# Altium PCB PCB_v6.PcbDoc (part 6 of 7) (continued)
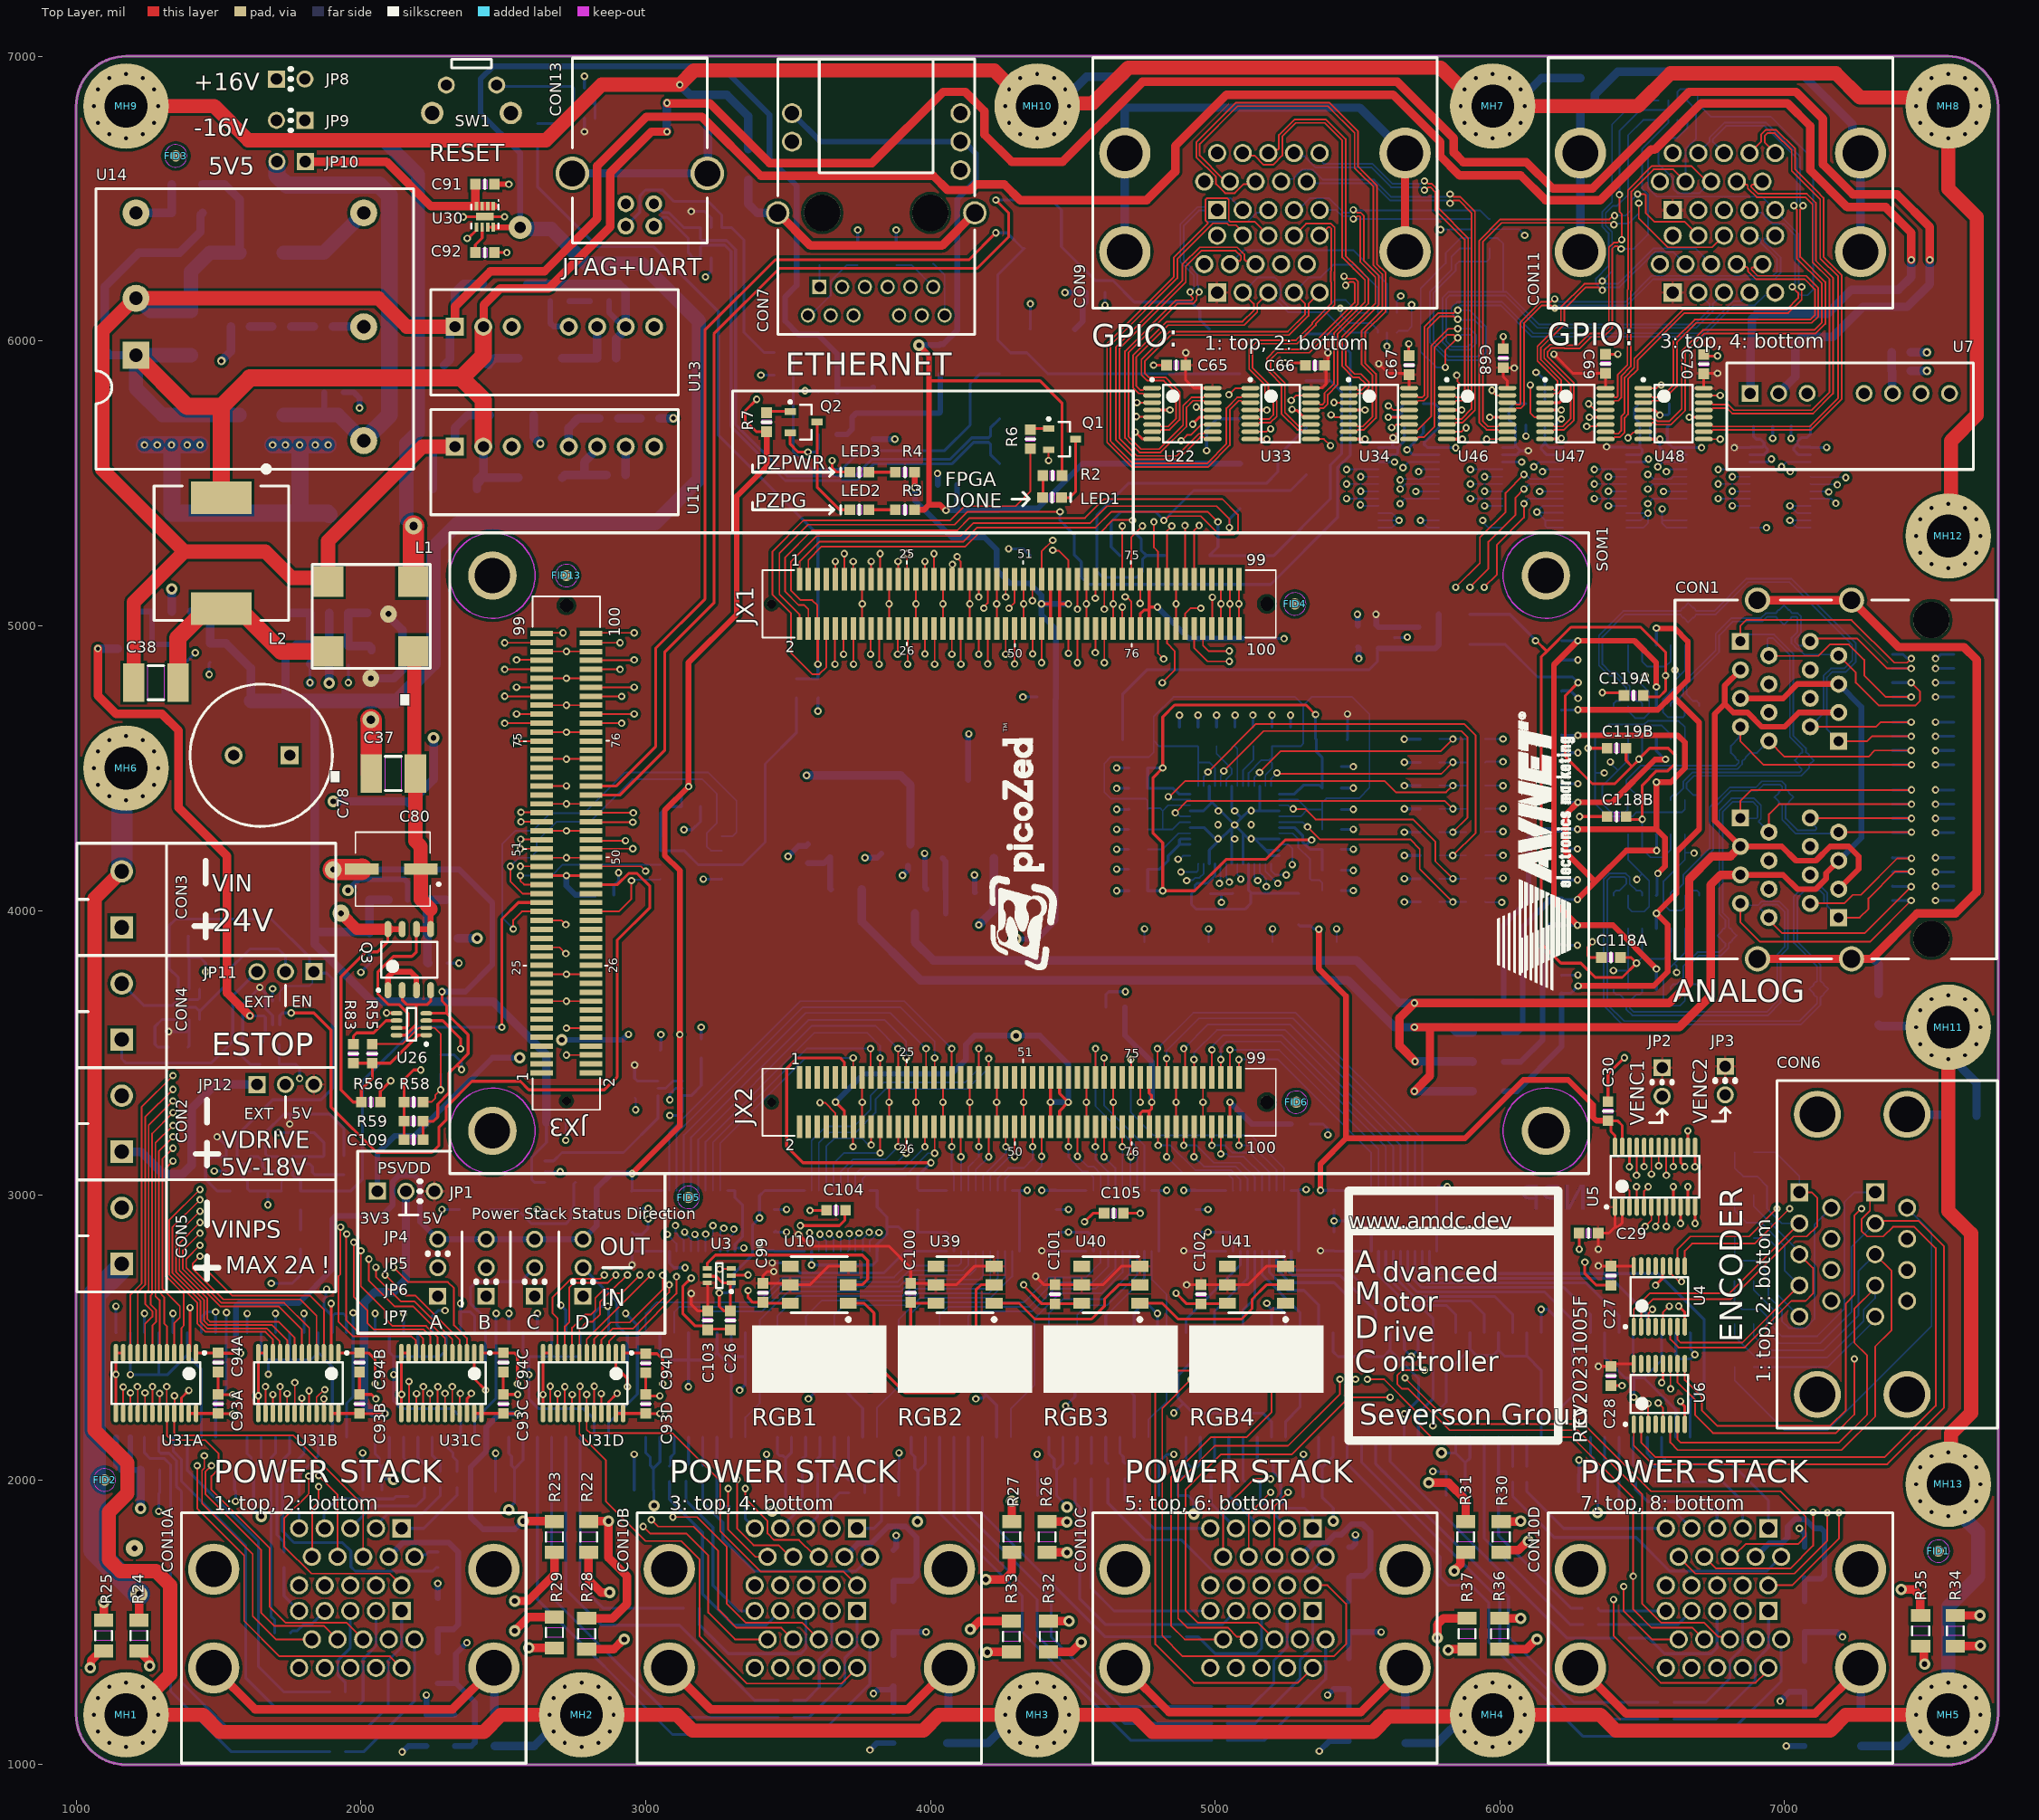
[diagram p0: Top Layer view]
## Nets (pads, with @x,y where several pads share a name; then routed paths per layer and width w, separated by ;. In a path a pad name is that pad's centre, name@x,y a point inside that pad or via, vN(x,y) a via of type N, cw(c..) or ccw(c..) an arc to the next point about the centre after c; other vN are vias at no path point) (continued)
  Int3 (Sign) w6: v1(2960,4690) 2912.49,4690 2861.29,4638.79 2861.29,2988.72 3083,2767.01 v1(3083,2685.51)
LV_INV_STS_D3: SOM1.JX3-86 U31D.5 | length 2674.9
  Top Layer w6: SOM1.JX3-86@2808.35,4752.29 2809.04,4751.6 v1(2915.81,4751.6) ; U31D.5@2818.68,2446.3 2818.68,2494.37 2877.31,2553 2944.48,2553 3060,2668.52 v1(3060,2718.95)
  Int3 (Sign) w6: v1(2915.81,4751.6) 2840,4675.79 2840,2983.73 3060,2763.73 v1(3060,2718.95)
LV_INV_STS_D4: SOM1.JX3-88 U31D.6 | length 2752
  Top Layer w6: U31D.6@2793.09,2446.3 2793.09,2493.73 v1(3019.36,2720) ; SOM1.JX3-88@2808.35,4783.79 v1(2960,4783.79)
  Int3 (Sign) w6: v1(2960,4783.79) 2911.8,4783.79 2819.64,4691.63 2819.64,2976.87 3019.36,2777.15 v1(3019.36,2720)
LV_INV_STS_D5: SOM1.JX3-92 U31D.7 | length 2747
  Top Layer w6: U31D.7@2767.5,2446.3 2767.5,2528.2 2795.3,2556 2814.23,2556 2840.29,2582.06 2840.29,2625.8 2869.49,2655 2915,2655 v1(2980,2720) ; SOM1.JX3-92@2808.35,4846.78 v1(2910,4846.78)
  Int3 (Sign) w6: v1(2910,4846.78) 2801.21,4738 2801.21,2965.76 2980,2786.98 v1(2980,2720)
LV_INV_STS_D6: SOM1.JX3-94 U31D.8 | length 2866.1
  Top Layer w6: U31D.8@2741.91,2446.3 2741.91,2534.45 2788.54,2581.08 2808.35,2581.08 2823.27,2596.01 2823.27,2638.85 2856.07,2671.65 2887.46,2671.65 v1(2935.81,2720) ; SOM1.JX3-94@2808.35,4878.28 2958.28,4878.28 v1(2960,4880)
  Int3 (Sign) w6: v1(2935.81,2720) 2910,2745.81 2910,2830.66 2780,2960.66 2780,4752.3 2907.7,4880 v1(2960,4880)
LV_INV_STS_D7: SOM1.JX3-98 U31D.9 | length 2856.7
  Top Layer w6: U31D.9@2716.32,2446.3 2716.32,2539.41 2732.34,2555.43 2732.34,2676.51 2748.15,2692.32 2867.77,2692.32 v1(2895.45,2720) ; SOM1.JX3-98@2808.35,4941.27 2809.62,4940 v1(2910,4940)
  Int3 (Sign) w6: v1(2895.45,2720) 2880,2735.45 2880,2830.16 2762,2948.16 2762,4792 v1(2910,4940)
LV_INV_STS_D8: SOM1.JX3-100 U31D.10 | length 2988.9
  Top Layer w6: U31D.10@2690.73,2446.3 2690.73,2567.36 2673.01,2585.08 2673.01,2641.59 2737.73,2706.31 2841.31,2706.31 v1(2855,2720) ; SOM1.JX3-100@2808.35,4972.76 2810.58,4975 v1(2960,4975)
  Int3 (Sign) w6: v1(2855,2720) 2855,2828.58 2746.74,2936.84 2746.74,4814.79 2906.95,4975 v1(2960,4975)
LV_PS_DRIVE_EN: R48.1 SOM1.JX3-39 U42.3 | length 1808.8
  Top Layer w10: v1(2495,3590) 2495,3970 2552.89,4027.89 SOM1.JX3-39@2635.12,4027.89
  Bottom Layer w10: U42.3@1792.32,3084.41 1765.59,3084.41 1759.73,3078.55 1759.73,3070.27 1770,3060 1782.61,3060 1788.46,3054.14 R48.1@1788.46,3015 1965,3015 2005,3055 2005,3400 2195,3590 v1(2495,3590)
LV_USER_LED_DIN: SOM1.JX2-14 U3.3 | length 1247
  Top Layer w6: v1(3260,2740) 3261.75,2741.75 3299.29,2741.75 U3.3@3301.04,2743.5 ; v1(3728.52,3170.51) 3728.52,3239.47 SOM1.JX2-14@3729.06,3240
  Int3 (Sign) w6: v1(3260,2740) 3260,2745 3199.21,2805.79 3091.46,2805.79 3040,2857.25 3040,2934.02 3276.49,3170.51 v1(3728.52,3170.51)
LV_VCCIO_EN: R92.1 SOM1.JX2-10 U12.3 | length 946.8
  Top Layer w6: v1(3612.31,3325) 3630,3325 3666.06,3288.94 SOM1.JX2-10@3666.06,3240
  Int3 (Sign) w6: v1(3085,3280) 3567.31,3280 v1(3612.31,3325)
  Bottom Layer w10: v1(3085,3280) 3115,3280 3128.16,3293.16 U12.3@3128.16,3349.82 3159.82,3349.82 3195,3385 R92.1@3195,3481.54
NetC1_1: C1.1 U1.45 | length 171.7
  Bottom Layer w6: C1.1@4763.46,4215 4815.97,4215 4871.92,4270.94 U1.45@4912.01,4270.94
NetC2_1: C2.1 U1.6 | length 169.6
  Bottom Layer w6: C2.1@5005,4576.54 5005,4550.66 5058.66,4497 5058.66,4480.46 5038.98,4460.78 U1.6@5038.98,4437.28
NetC3_1: C3.1 U1.9 | length 154.6
  Bottom Layer w6: U1.9@5098.03,4437.28 5098.03,4492.6 5135,4529.57 C3.1@5135,4576.54
NetC4_1: C4.1 U1.22 | length 307.7
  Bottom Layer w6: U1.22@5225,4270.94 5272.1,4270.94 5291.79,4251.26 5291.79,4221.87 5333.46,4180.19 5333.46,4111.51 5338.95,4106.02 5366.97,4106.02 5376.54,4096.45 C4.1@5376.54,4070
NetC5_1: C5.1 U1.8 | length 142.7
  Bottom Layer w6: C5.1@5070,4576.54 5078.35,4568.19 U1.8@5078.35,4437.28
NetC31_2: C31.2 CON7.12 | length 198.1
  Bottom Layer w6: C31.2@4009.92,6271.54 4050,6231.46 CON7.12@4050,6090
NetC32_2: C32.2 CON7.6 | length 161.6
  Bottom Layer w6: C32.2@3880,6266.54 3933.39,6266.54 CON7.6@4009.92,6190
NetC33_2: C33.2 CON7.1 | length 76.5
  Bottom Layer w6: CON7.1@3610,6190 C33.2@3610,6266.54
NetC34_2: C34.2 CON7.7 | length 277.4
  Bottom Layer w6: CON7.7@3570,6090 3580,6090 3650,6160 3650,6210 3706.54,6266.54 C34.2@3745,6266.54
NetC35_2: C35.2 C39.2 JP8.2 U11.6 | length 2708.4
  Int4 (PWR) w30: JP8.2@1803.44,6919.88 1880.12,6919.88 2260,6540 2260,6378.44 2393.44,6245 3012.37,6245 3130,6127.37 3130,5915 3040,5825 2940,5825 2830,5715 U11.6@2830,5629.04
  Bottom Layer w30: C35.2@2707.48,5520 2717.48,5530 2784.33,5530 ; U11.6@2830,5629.04 2830,5620.12 2784.33,5574.45 2784.33,5530 ; C39.2@2863.16,5530 2784.33,5530
NetC37_2: C37.2 C80.1 L1.1 Q3.5 Q3.6 U26.7 | length 1592.6
  Top Layer w10: U26.7@2125.39,3587.6 2157.6,3587.6 2165,3595 2165,3638.66 2133.66,3670 2095.97,3670 2060,3705.97 2060,3785 2113.91,3838.91 2179.14,3838.91 2195,3854.77 Q3.6@2195,3934.53
  Top Layer w20: Q3.6@2195,3934.53 Q3.5@2245,3934.53 2245,4005
  Top Layer w50: L1.1@2184.21,4910 2187.8,4906.41 2187.8,4484.92 C37.2@2191.39,4481.33 2191.39,4243.93 2210,4225.31 C80.1@2210,4145 2210.31,4144.69 2210.31,4039.69 2245,4005
NetC38_2: C38.2 L1.4 L2.2 | length 789.3
  Top Layer w60: C38.2@1357.48,4800 1357.48,4956.81 1460.79,5060.12 L2.2@1510,5060.12 1569.88,5060.12 1720,4910 L1.4@1885,4910
NetC42_2: C42.2 C44.1 JP9.1 R42.1 U13.7 | length 2268.5
  Int4 (PWR) w30: JP9.1@1803.44,6775 1892.43,6775 2185,6482.43 2185,6355.22 2355.22,6185 2868.5,6185 2930,6123.5 U13.7@2930,6050
  Bottom Layer w20: R42.1@2871.67,6140 2871.67,6099.61 2921.27,6050 U13.7@2930,6050
  Bottom Layer w30: C42.2@2584.54,6200 2905.33,6200 2930,6175.33 U13.7@2930,6050 2930,6041.07 2896.63,6007.7 C44.1@2896.63,5940
NetC52_1: C52.1 R64.2 U15.1 U15.2 | length 291.5
  Bottom Layer w30: C52.1@2236.42,3815 2234.08,3817.34 2234.08,3899.99 R64.2@2231.73,3902.33 2231.52,3902.55 2231.52,4037.12 U15.2@2231.3,4037.33 U15.1@2298.3,4037.33
NetC54_1: C54.1 R65.1 U16.5 | length 445.9
  Bottom Layer w10: R65.1@2454.13,2949.37 2550.63,2949.37 2600,2900 2720,2900 2738.15,2918.15 C54.1@2738.15,2949.37 2747.32,2958.54 2747.32,3038.62 U16.5@2754.13,3045.43
NetC56_1: C56.1 R70.2 U17.2 U17.4 | length 548.8
  Bottom Layer w20: C56.1@3673.46,5671.61 3706.61,5671.61 3725,5690 3725,5732.28 3739.33,5746.61 U17.2@3799.84,5746.61 U17.4@4030.16,5746.61 4035,5751.46 R70.2@4035,5880.87
NetC58_2: C58.2 R71.2 U18.3 | length 197.9
  Bottom Layer w20: U18.3@4043,4183.27 4053.46,4172.81 C58.2@4053.46,4075 4053.8,4074.67 4053.8,3990.33 R71.2@4054.13,3990
NetC60_1: C60.1 R74.2 U19.3 | length 202
  Bottom Layer w20: C60.1@3570,4166.26 3626.5,4166.26 3648,4187.76 3648,4076.77 R74.2@3650.87,4073.9
NetC62_1: C62.1 R72.2 U20.1 U20.2 | length 273.9
  Bottom Layer w30: U20.1@2022.84,5045 U20.2@1955.84,5045 C62.1@1955.84,4929.21 2029.61,4929.21 2037.25,4921.57 R72.2@2037.25,4915
NetC64_1: C64.1 R73.2 U21.4 U21.5 | length 248.1
  Bottom Layer w20: U21.5@1202.39,5050 1263.55,5050 1266.47,5047.08 1266.47,4934.21 C64.1@1336.39,4934.21
NetC92_2: C92.2 U30.6 | length 98.5
  Top Layer w10: C92.2@2402.12,6310.47 2402.12,6337.96 2425.74,6361.58 U30.6@2425.74,6399.21
NetC108_1: C108.1 R55.2 R58.2 U26.2 | length 610.7
  Top Layer w6: R55.2@2040,3530.71 2145.71,3530.71 2202.6,3587.6 2259.39,3587.6 2280,3566.99 v1(2280,3370) 2261.71,3351.71 2261.71,3341.71 2247.24,3327.24 R58.2@2218.46,3327.24
  Bottom Layer w10: v1(2280,3370) C108.1@2280,3426.54
NetC109_1: C109.1 R58.1 R59.1 U26.3 | length 637.3
  Top Layer w10: C109.1@2151.54,3195 R59.1@2151.54,3260 R58.1@2151.54,3327.24 2151.54,3406.54 2185,3440 v1(2210,3440) ; U26.3@2229.72,3613.19 2287.26,3613.19 2350,3550.44 v1(2350,3513.95)
  Int3 (Sign) w10: v1(2210,3440) 2276.05,3440 v1(2350,3513.95)
NetC117_2: C117.2 R57.1 R77.1 R82.1 U2.2 | length 1473.6
  Bottom Layer w10: R82.1@4675.87,4600 4675.87,4760.87 4760,4845 5540,4845 5570,4875 5570,4916.54 C117.2@5573.46,4920
  Bottom Layer w20: C117.2@5573.46,4920 5714.72,4920 U2.2@5714.88,4920.16 5773.23,4920.16 5785.87,4932.8 R57.1@5785.87,4935 R77.1@5785.87,5040
NetCON2_1: CON2.1 JP12.1 | length 754.3
  Bottom Layer w30: CON2.1@1160,3152.57 1227.42,3152.57 1305,3075 1375,3075 1405,3105 1405,3305 1488.8,3388.8 JP12.1@1635,3388.8
NetCON4_1: CON4.1 JP11.3 | length 774.8
  Bottom Layer w10: CON4.1@1160,3546.57 1160,3478.7 1173.7,3465 1475,3465 1550,3540 1550,3700 JP11.3@1635,3785
NetCON10A_7A: CON10A.7A R93A.1 R95A.2 | length 693.2
  Bottom Layer w20: CON10A.7A@2098,1730 2148,1780 2308.16,1780 2341.65,1746.51 2341.65,1491.35 2326.16,1475.87 R95A.2@2270,1475.87 R93A.1@2270,1394.13
NetCON10A_7B: CON10A.7B R94A.1 R96A.2 | length 432.8
  Int4 (PWR) w20: CON10A.7B@2098,1440 2142.27,1395.73 2163.13,1395.73 2230,1328.86 v1(2230,1244.66)
  Bottom Layer w20: v1(2230,1244.66) R96A.2@2230,1174.13 R94A.1@2330,1174.13
NetCON10A_12A: CON10A.12A R22.1 | length 1085.8
  Top Layer w30: R22.1@2800,1745.87 2800,1648.68 2843.68,1605 v2(2873.43,1605)
  Int2 (Sign) w12: CON10A.12A@2053,1630 2097,1586 2224,1586 2245,1565
  Int2 (Sign) w20: 2245,1565 2285,1525 2725,1525 2805,1605 v2(2873.43,1605)
NetCON10A_12B: CON10A.12B R24.1 | length 1047.5
  Top Layer w30: R24.1@1220.3,1399.22 1258.43,1361.09 v2(1258.43,1346.57)
  Int2 (Sign) w30: v2(1258.43,1346.57) 1430,1175 1965,1175 2053,1263 CON10A.12B@2053,1340
NetCON10A_13A: CON10A.13A R23.1 | length 895.6
  Top Layer w30: v2(2540,1575) 2586.45,1575 2680,1668.55 R23.1@2680,1745.87
  Int2 (Sign) w20: CON10A.13A@1963,1630 2011,1678 2293.55,1678 2396.55,1575 v2(2540,1575)
NetCON10A_13B: CON10A.13B R25.1 | length 1173.4
  Top Layer w30: v2(1050,1340) 1051.91,1341.91 1051.91,1365.03 1086.1,1399.22 R25.1@1096.93,1399.22
  Int2 (Sign) w30: v2(1050,1340) 1097.57,1387.57 1275.41,1387.57 1439.53,1223.45 1913.82,1223.45 1963,1272.63 CON10A.13B@1963,1340
NetCON10B_7A: CON10B.7A R93B.1 R95B.2 | length 610.3
  Bottom Layer w20: CON10B.7A@3698,1730 3746,1778 3793.03,1778 3851.33,1836.3 3913.6,1836.3 3951.9,1798 3951.9,1661.72 3936.05,1645.87 R95B.2@3870,1645.87 R93B.1@3870,1574.13
NetCON10B_7B: CON10B.7B R94B.1 R96B.2 | length 425.1
  Int4 (PWR) w20: CON10B.7B@3698,1440 3709.91,1440 3765.37,1384.53 3788.28,1384.53 3800,1372.82 v1(3800,1250)
  Bottom Layer w20: v1(3800,1250) 3801.62,1250 3814.85,1263.23 3857.36,1263.23 R94B.1@3870,1275.87 R96B.2@3870,1184.13
NetCON10B_12A: CON10B.12A R26.1 | length 1023.7
  Top Layer w30: R26.1@4410,1745.87 4410.43,1745.43 4479.57,1745.43 v2(4480,1745)
  Int2 (Sign) w12: CON10B.12A@3653,1630 3697,1586 3854,1586
  Int2 (Sign) w30: 3854,1586 3905,1535 4270,1535 v2(4480,1745)
NetCON10B_12B: CON10B.12B R28.1 | length 957
  Top Layer w30: R28.1@2793,1405.87 2888.16,1405.87 2922.29,1440 v2(2925,1440)
  Int2 (Sign) w20: v2(2925,1440) 2930.41,1440 2936.41,1446 2996,1446 3040,1490 3130,1490 3232,1388 3605,1388 CON10B.12B@3653,1340
NetCON10B_13A: CON10B.13A R27.1 | length 897.2
  Top Layer w30: v2(4195,1650) 4260,1650 4285.94,1675.94 R27.1@4285.94,1745.87
  Int2 (Sign) w20: CON10B.13A@3563,1630 3611,1678 3822,1678 3925,1575 4120,1575 v2(4195,1650)
NetCON10B_13B: CON10B.13B R29.1 | length 1244.3
  Top Layer w30: v2(2590,1410) R29.1@2680,1410
  Int2 (Sign) w30: v2(2590,1410) 2820.41,1410 3030.41,1200 3485,1200 3563,1278 CON10B.13B@3563,1340
NetCON10C_7A: CON10C.7A R93C.1 R95C.2 | length 606.8
  Bottom Layer w20: CON10C.7A@5298,1730 5346,1778 5390.63,1778 5420,1807.37 5443.02,1807.37 5480.65,1845 5518.4,1845 5545,1818.4 5545,1686.72 5521.34,1663.06 5477.19,1663.06 R95C.2@5470,1655.87 R93C.1@5470,1574.13
NetCON10C_7B: CON10C.7B R94C.1 R96C.2 | length 409.3
  Int4 (PWR) w20: CON10C.7B@5298,1440 5348,1390 5375,1390 5395,1370 v1(5395,1244.66)
  Bottom Layer w20: v1(5395,1244.66) 5416.2,1265.87 R94C.1@5470,1265.87 R96C.2@5470,1191.73
NetCON10C_12A: CON10C.12A R30.1 | length 1118
  Top Layer w30: R30.1@6004.67,1745.87 6012.3,1753.5 6065.8,1753.5 6097.29,1785 v2(6100,1785)
  Int2 (Sign) w12: CON10C.12A@5253,1630 5298,1585 5460,1585
  Int2 (Sign) w30: 5460,1585 5530,1515 5752.94,1515 6022.94,1785 v2(6100,1785)
NetCON10C_12B: CON10C.12B R32.1 | length 940.1
  Top Layer w30: R32.1@4414.06,1395.87 4495.87,1395.87 v2(4530,1430)
  Int2 (Sign) w20: 4852,1388 5205,1388 CON10C.12B@5253,1340
  Int2 (Sign) w30: v2(4530,1430) 4590,1490 4750,1490 4852,1388
NetCON10C_13A: CON10C.13A R31.1 | length 884.1
  Top Layer w30: v2(5840,1680) 5840,1682.71 5861.71,1704.41 5861.71,1738.23 5869.35,1745.87 R31.1@5880,1745.87
  Int2 (Sign) w20: CON10C.13A@5163,1630 5211,1678 5427,1678 5545,1560 5720,1560 v2(5840,1680)
NetCON10C_13B: CON10C.13B R33.1 | length 1234.3
  Top Layer w30: v2(4200,1395) 4201.57,1395 4202.44,1395.87 R33.1@4284.06,1395.87
  Int2 (Sign) w30: v2(4200,1395) 4435,1395 4640,1190 5080.94,1190 5163,1272.06 CON10C.13B@5163,1340
NetCON10D_7A: CON10D.7A R93D.1 R95D.2 | length 649
  Bottom Layer w20: CON10D.7A@6898,1730 6946,1778 6990.63,1778 7010.63,1798 7010.63,1836.09 7036.54,1862 7072.27,1862 7104.27,1830 7128.28,1830 7140,1818.28 7140,1664.34 7128.28,1652.63 7073.24,1652.63 R95D.2@7070,1655.87 R93D.1@7070,1574.13
NetCON10D_7B: CON10D.7B R94D.1 R96D.2 | length 470.3
  Int4 (PWR) w20: CON10D.7B@6898,1440 6909.91,1440 6966.68,1383.23 6988,1383.23 7006,1365.23 7006,1310 6984.52,1288.52 v1(6984.52,1223.45)
  Bottom Layer w20: v1(6984.52,1223.45) 7016.94,1255.87 R94D.1@7070,1255.87 R96D.2@7070,1174.13
NetCON10D_12A: CON10D.12A R34.1 | length 1050.5
  Top Layer w30: R34.1@7600,1415.87 7601.07,1416.93 7686.43,1416.93 v2(7687.5,1418)
  Int2 (Sign) w20: CON10D.12A@6853,1630 6901,1678 7032,1678
  Int2 (Sign) w30: 7032,1678 7150,1560 7360,1560 7502,1418 v2(7687.5,1418)
NetCON10D_12B: CON10D.12B R36.1 | length 951.5
  Top Layer w30: R36.1@5998.52,1405.87 6093.16,1405.87 6127.29,1440 v2(6130,1440)
  Int2 (Sign) w20: 6540,1388 6805,1388 CON10D.12B@6853,1340
  Int2 (Sign) w30: v2(6130,1440) 6180,1490 6345,1490 6447,1388 6540,1388
NetCON10D_13A: CON10D.13A R35.1 | length 913.8
  Top Layer w30: R35.1@7478,1415.87 7482.02,1415.87 7489.66,1408.23 7489.66,1355.17 v2(7491.57,1353.26)
  Int2 (Sign) w12: CON10D.13A@6763,1630 6807,1586 7006,1586
  Int2 (Sign) w30: 7006,1586 7082,1510 7334.83,1510 v2(7491.57,1353.26)
NetCON10D_13B: CON10D.13B R37.1 | length 1193
  Top Layer w30: v2(5818.82,1402.05) 5822.64,1405.87 R37.1@5885.14,1405.87
  Int2 (Sign) w30: v2(5818.82,1402.05) 6032.38,1402.05 6234.43,1200 6690,1200 6763,1273 CON10D.13B@6763,1340
NetJP11_2: JP11.2 R5.2 U32.4 U32.6 | length 833.4
  Bottom Layer w10: R5.2@1325.67,3520 1286.89,3520 1276.89,3530 1276.89,3592.21 1301.53,3616.85 U32.6@1359.13,3616.85 1360,3617.72 1360,3645 1375,3660 1420,3660 1433.94,3646.06 ; U32.4@1433.94,3616.85 1433.94,3646.06 ; JP11.2@1735,3785 1735,3840 1710,3865 1610,3865 1525,3780 1525,3737.13 1433.94,3646.06
NetLED1_A: LED1.A R2.2 | length 78.1
  Top Layer w10: LED1.A@4394.16,5449.92 4395.18,5450.94 R2.2@4395.18,5527.6
NetLED1_C: LED1.C Q1.3 | length 242.1
  Top Layer w10: LED1.C@4461.09,5449.92 4489.34,5449.92 4510.15,5470.73 Q1.3@4510.15,5655.16
NetLED2_A: LED2.A R3.2 | length 93.1
  Top Layer w10: LED2.A@3784.02,5407.5 R3.2@3877.09,5407.5
NetLED2_C: LED2.C Q2.3 | length 375.9
  Top Layer w10: Q2.3@3602.25,5715 3602.25,5486.84 3681.59,5407.5 LED2.C@3717.09,5407.5
NetLED3_A: LED3.A R4.2 | length 93.1
  Top Layer w10: LED3.A@3784.02,5539.43 R4.2@3877.09,5539.43
NetQ1_1: Q1.1 R6.1 | length 66.3
  Top Layer w10: R6.1@4351.02,5688.62 4354.96,5692.56 Q1.1@4415.66,5692.56
NetQ2_1: Q2.1 R7.1 | length 84.4
  Top Layer w10: R7.1@3425,5748.46 3428.94,5752.4 Q2.1@3507.76,5752.4
NetQ3_1: Q3.1 Q3.3 | length 207.2
  Top Layer w20: Q3.1@2095,3719.96 2095.69,3720.65 2095.69,3766.61 2114.08,3785 2175,3785 2194.31,3765.69 2194.31,3720.65 Q3.3@2195,3719.96
NetQ3_2: Q3.2 Q3.4 U26.8 | length 339.2
  Top Layer w10: U26.8@2125.39,3562.01 2157.01,3562.01 2195,3600 2195,3670 ; Q3.2@2145,3719.96 2145.12,3719.84 2145.12,3685.8 2160.92,3670 2195,3670 ; Q3.4@2245,3719.96 2245,3681.43 2233.57,3670 2195,3670
NetR21_1: R21.1 SW1.1 U8.1 U8.3 U8.4 U8.6 | length 697.6
  Bottom Layer w10: SW1.1@2477.06,6898.79 2482.38,6893.47 2742.28,6893.47 U8.1@2747.6,6888.15 2747.6,6835 ; R21.1@2620,6763.46 2683.46,6763.46 2701.85,6781.85 U8.6@2747.6,6781.85 2747.6,6835 ; U8.4@2822.4,6781.85 2822.4,6835 ; U8.3@2822.4,6888.15 2822.4,6835 ; 2747.6,6835 2822.4,6835
NetR39_1: R39.1 R40.2 | length 76.9
  Bottom Layer w30: R39.1@2904.5,5728.9 R40.2@2981.44,5728.9
NetR39_2: R39.2 U11.5 | length 187.6
  Bottom Layer w30: U11.5@2730,5629.04 2730,5695 2763.9,5728.9 R39.2@2837.57,5728.9
NetR41_1: R41.1 R42.2 | length 72.8
  Bottom Layer w20: R41.1@2731.97,6140 R42.2@2804.74,6140
NetR41_2: R41.2 U13.5 | length 147.5
  Bottom Layer w20: R41.2@2665.04,6140 2665.04,6062.71 2676.76,6051 2729,6051 U13.5@2730,6050
NetR43_1: R43.1 R44.2 | length 79.2
  Bottom Layer w30: R44.2@1755.19,6051 R43.1@1834.41,6051
NetR43_2: R43.2 U14.5 | length 109.1
  Bottom Layer w30: R43.2@1901.34,6051 1901.84,6050.5 2009.5,6050.5 U14.5@2010,6050
NetR44_1: R44.1 R45.2 | length 78.1
  Bottom Layer w30: R45.2@1610.19,6051 R44.1@1688.26,6051
NetR46_1: R46.1 R47.1 U14.3 | length 225.9
  Bottom Layer w30: U14.3@1210,6450 R46.1@1335.87,6450 R47.1@1335.87,6550
NetR48_2: R48.2 R49.1 | length 69.4
  Bottom Layer w10: R49.1@1788.19,2878.78 1788.46,2879.05 R48.2@1788.46,2948.07
NetR56_2: R56.2 U26.5 | length 370
  Top Layer w10: R56.2@2068.46,3327.24 2068.46,3365.28 v1(2105,3401.81) ; v1(2090,3640) 2124.17,3640 U26.5@2125.39,3638.78
  Int3 (Sign) w10: v1(2090,3640) 2090,3527.6 2105,3512.6 v1(2105,3401.81)
NetR83_2: R83.2 U26.6 | length 202.4
  Top Layer w10: R83.2@1973.46,3530.71 1973.55,3530.8 1973.55,3558.55 1985,3570 2045,3570 2088.19,3613.19 U26.6@2125.39,3613.19
NetU3_4: U3.4 U10.2 | length 742.7
  Top Layer w10: U3.4@3216.4,2743.5 3216.4,2761.4 3245,2790 3760.55,2790 3779.73,2770.82 3779.73,2704.73 3760.51,2685.51 U10.2@3712.15,2685.51
NetU10_1: U10.1 U39.2 | length 1065.4
  Top Layer w10: U10.1@3712.15,2620.55 3767.38,2620.55 3802.05,2585.88 3802.05,2415.38 3910.74,2306.69 4083.98,2306.69 4160,2382.71 4160,2667.43 4178.08,2685.51 U39.2@4223.96,2685.51
NetU23A_1: U23A.1 U24A.21 | length 476.9
  Bottom Layer w10: U24A.21@5573.99,2803.7 5573.99,2718.13 5679.58,2612.54 5812.46,2612.54 5845,2580 U23A.1@5845,2516.93
NetU23A_3: U23A.3 U24A.20 | length 552.4
  Bottom Layer w10: U24A.20@5599.58,2803.7 5599.58,2718.13 5689.17,2628.54 5898.39,2628.54 5945,2581.93 U23A.3@5945,2516.93
NetU23A_5: U23A.5 U24A.19 | length 626.9
  Bottom Layer w10: U24A.19@5625.17,2803.7 5625.17,2718.13 5698.76,2644.54 5982.53,2644.54 6045,2582.07 U23A.5@6045,2516.93
NetU23A_9: U23A.9 U24A.18 | length 1191.2
  Bottom Layer w10: U24A.18@5650.76,2803.7 5650.76,2719.24 5709.46,2660.54 6157.31,2660.54 6255,2562.85 6255,2295 6195,2235 U23A.9@6195,2150
NetU23B_1: U23B.1 U24B.21 | length 365.7
  Bottom Layer w10: U23B.1@4897.87,2516.93 4897.87,2563.82 5088.33,2754.29 U24B.21@5088.33,2803.7
NetU23B_3: U23B.3 U24B.20 | length 334.8
  Bottom Layer w10: U23B.3@4997.87,2516.93 4997.87,2591.94 5113.92,2707.99 U24B.20@5113.92,2803.7
NetU23B_5: U23B.5 U24B.19 | length 304
  Bottom Layer w10: U23B.5@5097.87,2516.93 5097.87,2596.26 5139.51,2637.9 U24B.19@5139.51,2803.7
NetU23B_9: U23B.9 U24B.18 | length 729.4
  Bottom Layer w10: U24B.18@5165.1,2803.7 5165.1,2720.67 5297.91,2587.86 5297.91,2255.66 5247.87,2205.61 U23B.9@5247.87,2150
NetU23C_1: U23C.1 U24C.21 | length 847.9
  Bottom Layer w6: U23C.1@3932.59,2516.93 3932.59,2584.75 3971.78,2623.94 4329.6,2623.94 4417.39,2711.73 4546.73,2711.73 4597.23,2762.23 4597.23,2802.6 U24C.21@4598.33,2803.7
NetU23C_3: U23C.3 U24C.20 | length 778.7
  Bottom Layer w6: U23C.3@4032.59,2516.93 4032.59,2579.53 4061,2607.94 4346.57,2607.94 4431.8,2693.16 4567.94,2693.16 4623.92,2749.14 U24C.20@4623.92,2803.7
NetU23C_5: U23C.5 U24C.19 | length 707.2
  Bottom Layer w6: U23C.5@4132.59,2516.93 4132.59,2576.08 4148.45,2591.94 4356.16,2591.94 4435.23,2671 4579.72,2671 4649.51,2740.79 U24C.19@4649.51,2803.7
NetU23C_9: U23C.9 U24C.18 | length 902.8
  Bottom Layer w6: U23C.9@4282.59,2150 4282.59,2249.77 4365,2332.18 4365,2566.42 4453.58,2655 4601.15,2655 4675.15,2729 U24C.18@4675.1,2803.7 U24C.18@4675.1,2803.7
NetU23D_1: U23D.1 U24D.21 | length 1291.2
  Bottom Layer w6: U23D.1@3000.46,2516.93 3000.46,2585.59 3038.8,2623.94 3395.32,2623.94 3483.11,2711.73 3872.51,2711.73 3912.72,2751.94 4098.04,2751.94 4108.33,2762.23 U24D.21@4108.33,2803.7
NetU23D_3: U23D.3 U24D.20 | length 1223.7
  Bottom Layer w6: U23D.3@3100.46,2516.93 3100.46,2589.94 3118.46,2607.94 3401.94,2607.94 3489.74,2695.73 3885.18,2695.73 3925.39,2735.94 4115.14,2735.94 4133.92,2754.71 U24D.20@4133.92,2803.7
NetU23D_5: U23D.5 U24D.19 | length 1141.8
  Bottom Layer w6: U23D.5@3200.46,2516.93 3201.76,2518.23 3201.76,2575.24 3218.46,2591.94 3408.57,2591.94 3496.36,2679.73 3891.81,2679.73 3932.02,2719.94 4139.38,2719.94 4159.51,2740.06 U24D.19@4159.51,2796.98
NetU23D_9: U23D.9 U24D.18 | length 1367.7
  Bottom Layer w6: U23D.9@3350.46,2150 3350.46,2219.55 3401.13,2270.22 3401.13,2561.86 3500.88,2661.62 3896.33,2661.62 3938.64,2703.94 4171.94,2703.94 4185.1,2717.1 U24D.18@4185.1,2803.7
NetU23E_1: U23E.1 U24E.21 | length 3041.5
  Int3 (Sign) w6: v1(2050,2585) 2101,2585 2130,2556 2236.76,2556 2260.76,2532 2379.71,2532 2418.71,2493 3893.59,2493 4025.48,2624.89 4025.48,2930.72 3970.2,2986 3693.74,2986 v1(3575.62,2867.88)
  Bottom Layer w6: v1(3575.62,2867.88) 3608.33,2835.17 U24E.21@3608.33,2803.7
  Bottom Layer w10: U23E.1@2050,2516.93 v1(2050,2585)
NetU23E_3: U23E.3 U24E.20 | length 2808.2
  Int3 (Sign) w6: v1(2150,2585) 2254.48,2585 2279.32,2560.15 2397.44,2560.15 2452.6,2505 3865.83,2505 3998,2637.17 3998,2918.72 3942.72,2974 3723.49,2974 v1(3612.31,2862.82)
  Bottom Layer w6: v1(3612.31,2862.82) 3633.92,2841.2 U24E.20@3633.92,2803.7
  Bottom Layer w10: U23E.3@2150,2516.93 v1(2150,2585)
NetU23E_5: U23E.5 U24E.19 | length 2575.4
  Int3 (Sign) w6: v1(2295.48,2595) 2412.7,2595 2490.7,2517 3831.12,2517 3965,2650.88 3965,2909.07 3912.07,2962 3742.6,2962 v1(3645.3,2864.7)
  Bottom Layer w6: v1(3645.3,2864.7) 3659.51,2850.49 U24E.19@3659.51,2803.7
  Bottom Layer w10: U23E.5@2250,2516.93 2250,2573.86 2271.14,2595 v1(2295.48,2595)
NetU23E_9: U23E.9 U24E.18 | length 2602.5
  Int3 (Sign) w6: v1(2474.85,2584.82) 2530.67,2529 3808.96,2529 3936.2,2656.23 3936.2,2883.18 3879.38,2940 3757.22,2940 v1(3680.47,2863.24)
  Bottom Layer w6: v1(3680.47,2863.24) 3685.1,2858.61 U24E.18@3685.1,2803.7
  Bottom Layer w10: U23E.9@2400,2150 2400,2211.85 2474.85,2286.7 v1(2474.85,2584.82)
NetU23F_1: U23F.1 U24F.21 | length 5227.6
  Int3 (Sign) w6: v1(1139.77,2610) 1352.77,2397 4109.99,2397 4261.87,2548.88 4261.87,2966.16 4138.04,3090 3235,3090 3075.72,2930.72 v1(3075.72,2862.61)
  Bottom Layer w6: v1(3075.72,2862.61) 3108.33,2830 U24F.21@3108.33,2803.7
  Bottom Layer w10: v1(1139.77,2610) 1139.77,2517.16 U23F.1@1140,2516.93
NetU23F_3: U23F.3 U24F.20 | length 4968
  Int3 (Sign) w6: v1(1240,2585) 1281,2544 1443.15,2544 1578.15,2409 4085.99,2409 4237.87,2560.88 4237.87,2961.54 4129.42,3070 3259.47,3070 3105,2915.53 v1(3105,2893.51)
  Bottom Layer w6: v1(3105,2893.51) 3105,2868.94 3133.92,2840.02 U24F.20@3133.92,2803.7
  Bottom Layer w10: U23F.3@1240,2516.93 v1(1240,2585)
NetU23F_5: U23F.5 U24F.19 | length 4742.8
  Int3 (Sign) w6: v1(1340,2585) 1341.77,2583.23 1450.77,2583.23 1490,2544 1537,2544 1660,2421 4056,2421 4210,2575 4210,2956.54 4108.54,3058 3285.86,3058 3136.93,2909.07 v1(3136.93,2870.63)
  Bottom Layer w6: v1(3136.93,2870.63) 3136.93,2867.88 3159.51,2845.3 U24F.19@3159.51,2803.7
  Bottom Layer w10: U23F.5@1340,2516.93 v1(1340,2585)
NetU23F_9: U23F.9 U24F.18 | length 4822.4
  Int3 (Sign) w6: v1(1527.68,2588) 1591.19,2524.49 1591.19,2517.56 1650.87,2457.87 1886.46,2457.87 1911.33,2433 4031,2433 4185,2587 4185,2950 4089,3046 3313.62,3046 3173.31,2905.69 v1(3173.31,2862.61)
  Bottom Layer w6: v1(3173.31,2862.61) 3173.31,2857.1 3185.1,2845.31 U24F.18@3185.1,2803.7
  Bottom Layer w10: U23F.9@1490,2150 1490,2280 1527.68,2317.68 v1(1527.68,2588)
NetU24A_14: U24A.14 U25A.9 | length 1525.6
  Bottom Layer w10: U24A.14@5753.13,2803.7 5753.13,2756.87 5785.46,2724.54 6556.31,2724.54 6718,2562.85 6718,2331 6668.18,2281.18 U25A.9@6668.18,2150
NetU24A_15: U24A.15 U25A.5 | length 978.9
  Bottom Layer w10: U24A.15@5727.54,2803.7 5727.54,2749.97 5768.96,2708.54 6391.46,2708.54 6518.18,2581.82 U25A.5@6518.18,2516.93
NetU24A_16: U24A.16 U25A.3 | length 909.4
  Bottom Layer w10: U24A.16@5701.95,2803.7 5701.95,2736.65 5746.05,2692.54 6302.46,2692.54 6418.18,2576.82 U25A.3@6418.18,2516.93
NetU24A_17: U24A.17 U25A.1 | length 845
  Bottom Layer w10: U24A.17@5676.35,2803.7 5676.35,2724.54 5724.35,2676.54 6223.46,2676.54 6318.18,2581.82 U25A.1@6318.18,2516.93
NetU24B_14: U24B.14 U25B.9 | length 1063.5
  Bottom Layer w10: U24B.14@5267.46,2803.7 5267.46,2752.65 5283.46,2736.65 5463.94,2736.65 5604.04,2596.54 5735.28,2596.54 5765,2566.82 5765,2284.17 5714.05,2233.22 U25B.9@5714.05,2150
NetU24B_15: U24B.15 U25B.5 | length 517.6
  Bottom Layer w10: U24B.15@5241.87,2803.7 5242.97,2802.6 5242.97,2747.36 5272.2,2718.13 5438.46,2718.13 5564.05,2592.54 U25B.5@5564.05,2516.93
NetU24B_16: U24B.16 U25B.3 | length 480.1
  Bottom Layer w10: U24B.16@5216.28,2803.7 5216.28,2740.08 5263.2,2693.16 5417.97,2693.16 5464.05,2647.08 U25B.3@5464.05,2516.93
NetU24B_17: U24B.17 U25B.1 | length 392.6
  Bottom Layer w10: U24B.17@5190.69,2803.7 5190.69,2728.82 5253.69,2665.83 5311.83,2665.83 5364.05,2613.62 U25B.1@5364.05,2516.93
NetU24C_14: U24C.14 U25C.9 | length 702
  Bottom Layer w6: U25C.9@4765.82,2150 4765.82,2211.37 4830,2275.55 4830,2650.83 4777.46,2703.37 U24C.14@4777.46,2803.7
NetU24C_15: U24C.15 U25C.5 | length 343.1
  Bottom Layer w6: 4615.82,2575.67 4751.87,2711.73
  Bottom Layer w10: U25C.5@4615.82,2516.93 4615.82,2575.67 ; 4751.87,2711.73 U24C.15@4751.87,2803.7
NetU24C_16: U24C.16 U25C.3 | length 415.3
  Bottom Layer w6: U25C.3@4515.82,2516.93 4515.82,2580 4549.44,2613.62 4620.08,2613.62 4726.28,2719.83 U24C.16@4726.28,2803.7
NetU24C_17: U24C.17 U25C.1 | length 489.8
  Bottom Layer w6: U25C.1@4415.82,2516.93 4415.82,2584.7 4466.12,2635 4611.29,2635 4700.69,2724.4 U24C.17@4700.69,2803.7
NetU24D_14: U24D.14 U25D.9 | length 995.6
  Bottom Layer w6: U25D.9@3812.31,2150 3812.31,2252.31 3889.13,2329.13 3889.13,2563.91 3965.15,2639.94 4212.81,2639.94 4287.46,2714.59 U24D.14@4287.46,2803.7
NetU24D_15: U24D.15 U25D.5 | length 808
  Bottom Layer w6: U25D.5@3662.31,2516.93 3662.31,2577.93 3698,2613.62 3916.21,2613.62 3958.53,2655.94 4206.18,2655.94 4261.87,2711.63 U24D.15@4261.87,2803.7
NetU24D_16: U24D.16 U25D.3 | length 881.6
  Bottom Layer w6: U25D.3@3562.31,2516.93 3562.31,2573.61 3618.31,2629.62 3909.58,2629.62 3951.9,2671.94 4199.56,2671.94 4236.28,2708.66 U24D.16@4236.28,2803.7
NetU24D_17: U24D.17 U25D.1 | length 959.1
  Bottom Layer w6: U25D.1@3462.31,2516.93 3462.31,2575.84 3532.08,2645.62 3902.95,2645.62 3945.27,2687.94 4192.93,2687.94 4210.69,2705.7 U24D.17@4210.69,2803.7
NetU24E_14: U24E.14 U25E.9 | length 1581.2
  Int3 (Sign) w6: v1(2930,2585) 3531.21,2585 3815.06,2868.85 v1(3819.58,2868.85)
  Bottom Layer w6: U24E.14@3787.46,2803.7 3787.46,2839.48 3816.84,2868.85 v1(3819.58,2868.85)
  Bottom Layer w10: U25E.9@2869.64,2150 2869.64,2199.64 2971.01,2301.01 2971.01,2543.99 v1(2930,2585)
NetU24E_15: U24E.15 U25E.5 | length 1393.5
  Int3 (Sign) w6: v1(2701.92,2613.62) 2702.14,2613.62 2729.83,2585.94 2899.82,2585.94 2920.89,2607 3522,2607 3784.9,2869.9 v1(3785,2869.9)
  Bottom Layer w6: U24E.15@3762.97,2802.6 U24E.15@3761.87,2803.7 3762.97,2804.8 3762.97,2847.78 3785,2869.8 v1(3785,2869.9)
  Bottom Layer w10: v1(2701.92,2613.62) 2719.64,2595.9 U25E.5@2719.64,2516.93
NetU24E_16: U24E.16 U25E.3 | length 1635.2
  Int3 (Sign) w6: v1(2619.64,2584.82) 2700.52,2584.82 2732.34,2553 3543.25,2553 3842,2851.75 3842,2878.25 3823.25,2897 3779.49,2897 v1(3749.39,2866.9)
  Bottom Layer w6: U24E.16@3736.28,2803.7 3736.28,2850.06 3749.39,2863.17 v1(3749.39,2866.9)
  Bottom Layer w10: U25E.3@2619.64,2516.93 v1(2619.64,2584.82)
NetU24E_17: U24E.17 U25E.1 | length 2011.6
  Int3 (Sign) w6: v1(2520,2585) 2575.64,2585 2619.64,2541 3769.38,2541 3896.5,2668.12 3896.5,2880.19 3857.97,2918.72 3766.81,2918.72 3715,2866.91 v1(3715,2865)
  Bottom Layer w6: U24E.17@3710.69,2803.7 3715,2808.01 v1(3715,2865)
  Bottom Layer w10: U25E.1@2519.64,2516.93 2519.82,2517.11 2519.82,2584.82 v1(2520,2585)